# Altium PCB SEEED ORDER 100mm x 150mm.PcbDoc (part 2 of 3) (continued)
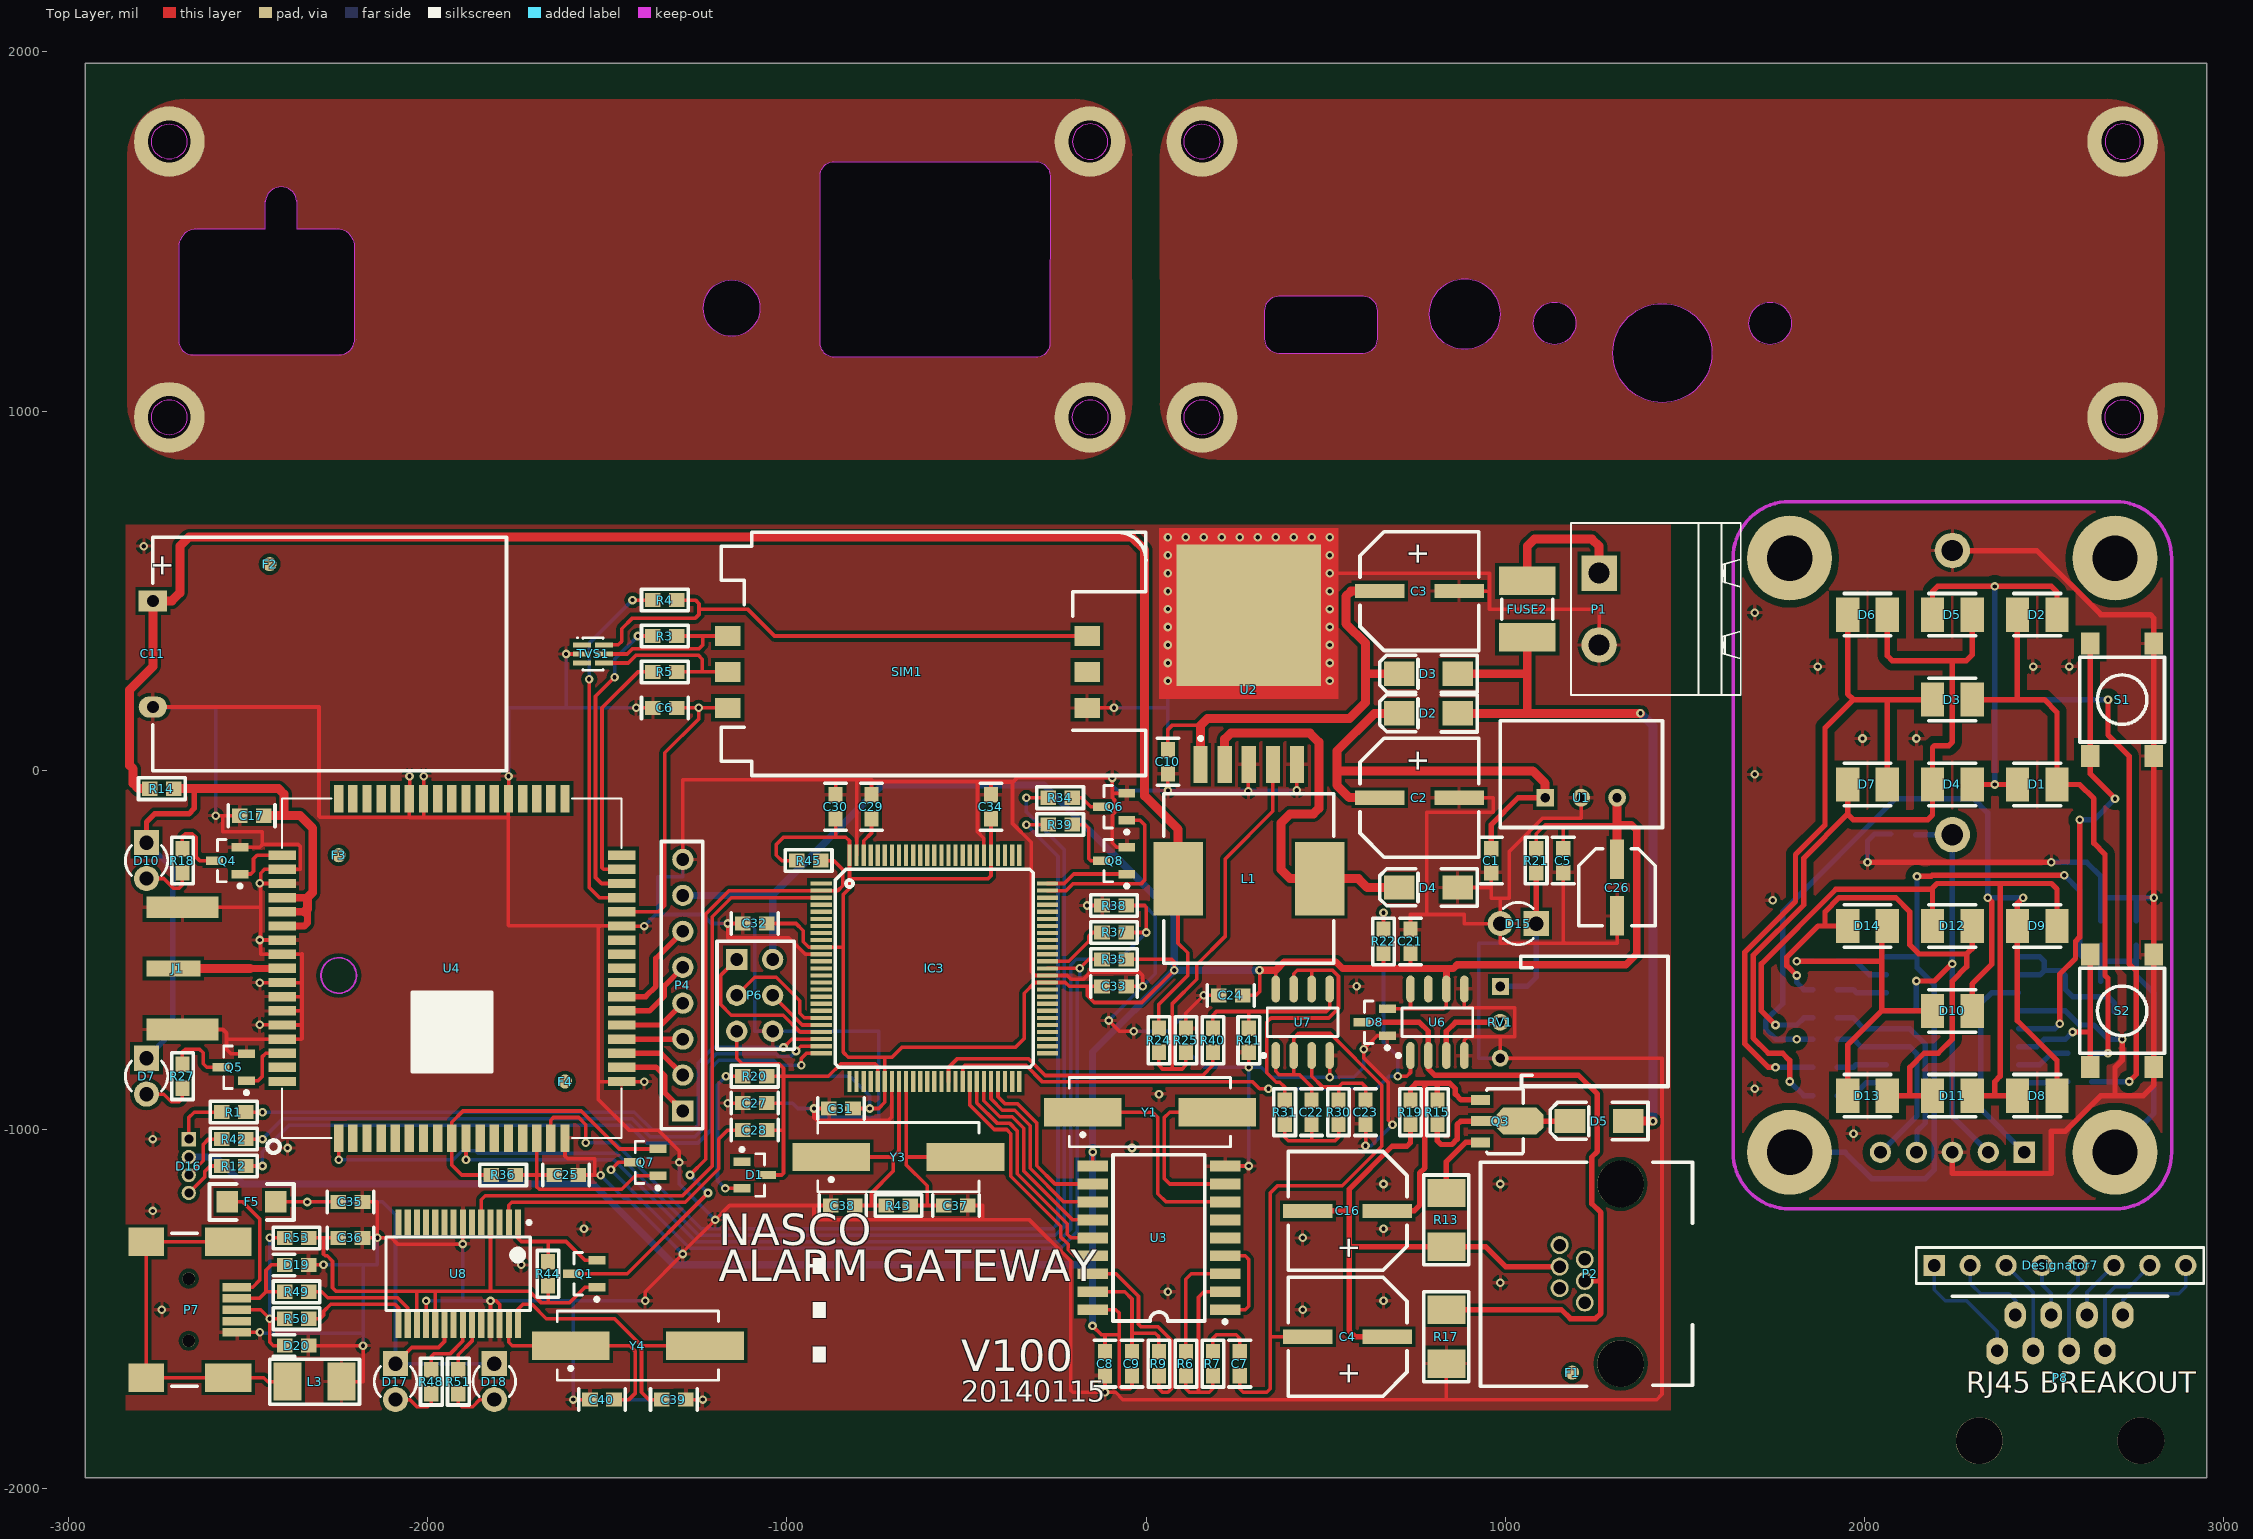
[diagram p0: Top Layer view]
## Nets (pads, with @x,y where several pads share a name; then routed paths per layer and width w, separated by ;. In a path a pad name is that pad's centre, name@x,y a point inside that pad or via, vN(x,y) a via of type N, cw(c..) or ccw(c..) an arc to the next point about the centre after c; other vN are vias at no path point) (continued)
  Bottom Layer w15: v1(1791.34,-866.14) 1830.71,-905.51 R3.2@1856.3,-905.51
NetD4_2: D4.2@705.02,-326.18 L1.1 U2.2 | length 1136.3
  Top Layer w25: U2.2@219.1,16.14 219.1,86.89 236.02,103.82 456.02,103.82 481.02,78.82 481.02,-106.18 466.02,-121.18 401.02,-121.18 376.02,-146.18 376.02,-276.18 401.02,-301.18 L1.1@482.88,-301.18 591.02,-301.18 616.02,-326.18 D4.2@705.02,-326.18
NetD7_2: D7.2@-2781.55,-901.12 R27.2 | length 141.6
  Top Layer w10: D7.2@-2781.55,-901.12 -2734.04,-901.12 -2712.55,-922.61 -2690.4,-922.61 -2681.83,-914.04 R27.2@-2681.83,-884.65
NetD8_1: D8.1@2425.2,-905.51 D9.2 D11.2 D12.1 R6.2@1856.3,-688.98 | length 2151.4
  Top Layer w15: v1(1751.97,-708.66) 1712.6,-669.29 1712.6,-538.34 1919.61,-331.33 2185.04,-331.33 ; D12.1@2188.98,-433.07 2188.98,-335.27 2185.04,-331.33 ; D11.2@2299.21,-905.51 2362.2,-905.51 ; D8.1@2425.2,-905.51 2362.2,-905.51 ; D9.2@2535.43,-433.07 2535.43,-330.71 2519.69,-314.96 2381.89,-314.96 ; 2185.04,-331.33 2201.41,-314.96 2381.89,-314.96 ; 2362.2,-905.51 2362.2,-866.14 2377.22,-851.13 2377.22,-319.63 2381.89,-314.96
  Bottom Layer w15: v1(1751.97,-708.66) 1811.02,-708.66 1830.71,-688.98 R6.2@1856.3,-688.98
NetD8_2: D8.2@2535.43,-905.51 D9.1 D10.2@2299.21,-669.29 R5.2@1856.3,-748.03 | length 2487.8
  Top Layer w15: D10.2@2299.21,-669.29 2299.21,-594.49 2354.22,-539.48 2354.22,-366.03 v1(2342.52,-354.33) ; v1(2440.94,-354.33) 2425.2,-370.08 D9.1@2425.2,-433.07 2425.2,-696.85 2535.43,-807.09 D8.2@2535.43,-905.51
  Bottom Layer w15: R5.2@1856.3,-748.03 v1(1811.02,-748.03) 1751.97,-748.03 1724.47,-720.53 1724.47,-696.79 1771.65,-649.61 1771.65,-393.7 2086.61,-78.74 2303.15,-78.74 2342.52,-118.11 v1(2342.52,-354.33) v1(2440.94,-354.33)
NetD10_1: D10.1@2188.98,-669.29 D13.1 D14.2 R8.2 | length 908.8
  Top Layer w15: v1(1811.02,-531.5) 2047.24,-531.5 ; D13.1@1952.76,-872.99 1952.76,-763.78 2047.24,-669.29 ; D14.2@2062.99,-433.07 2047.24,-448.82 2047.24,-531.5 ; D10.1@2188.98,-669.29 2047.24,-669.29 ; 2047.24,-669.29 2047.24,-531.5
  Bottom Layer w15: v1(1811.02,-531.5) R8.2@1856.3,-531.5
NetD10_2: D10.2@-2781.55,-301.12 R18.2 | length 148.6
  Top Layer w10: D10.2@-2781.55,-301.12 -2734.04,-301.12 -2707.55,-327.61 -2690.4,-327.61 -2681.83,-319.04 R18.2@-2681.83,-284.65
NetD11_1: D11.1 D12.2 D13.2 D14.1 R7.2@1856.3,-610.24 | length 1603
  Top Layer w15: v1(1811.02,-570.87) 1783.52,-543.37 1783.52,-520.11 1870.56,-433.07 1889.76,-433.07 ; D14.1@1952.76,-433.07 1889.76,-433.07 ; D13.2@2062.99,-905.51 2125.98,-905.51 ; D11.1@2188.98,-905.51 2125.98,-905.51 ; D12.2@2299.21,-433.07 2299.21,-496.11 2284.1,-511.22 ; 1889.76,-433.07 1889.76,-393.7 1929.13,-354.33 2086.61,-354.33 2125.98,-393.7 2125.98,-486.22 2150.98,-511.22 2284.1,-511.22 ; 2125.98,-905.51 2125.98,-826.77 2165.35,-787.4 2204.72,-787.4 2244.09,-748.03 2244.09,-586.22 2284.1,-546.21 2284.1,-511.22
  Bottom Layer w15: v1(1811.02,-570.87) 1811.02,-590.55 1830.71,-610.24 R7.2@1856.3,-610.24
NetD15_1: D15.1 R21.1 RV1.1 | length 401.9
  Top Layer w15: D15.1@1086.02,-426.41 R21.1@1086.02,-284.65 ; D15.1@1086.08,-426.47 D15.1@1086.08,-426.47
  Bottom Layer w15: RV1.1@986.02,-601.18 1061.02,-601.18 1086.08,-576.12 D15.1@1086.08,-426.47
NetD17_2: D17.2 R48.2 | length 138.7
  Top Layer w10: D17.2@-2088.69,-1751.12 -2049.04,-1751.12 -2028.98,-1771.18 -1998.98,-1771.18 -1988.98,-1761.18 R48.2@-1988.98,-1734.65
NetD18_2: D18.2 R51.2 | length 138.7
  Top Layer w10: R51.2@-1913.98,-1734.65 -1913.98,-1761.18 -1903.98,-1771.18 -1873.98,-1771.18 -1853.92,-1751.12 D18.2@-1814.26,-1751.12
NetF5_1: F5.1 P7.1 | length 348
  Top Layer w10: F5.1@-2556.48,-1201.18 -2513.98,-1201.18 -2466.98,-1248.18 -2466.98,-1419.18 -2485.98,-1438.19 ; P7.1@-2530.12,-1438.19 -2488.98,-1438.19
NetL3_1: L3.1 P7.0 | length 1004
  Top Layer w10: P7.0@-2553.74,-1312.2 P7.0@-2782.09,-1312.2 P7.0@-2782.09,-1690.16 P7.0@-2553.74,-1690.16 -2455,-1690.16 -2443.98,-1701.18 L3.1@-2388.98,-1701.18
NetQ1_2: Q1.2 R44.1 U8.1 | length 345.1
  Top Layer w10: U8.1@-1747.64,-1258.46 -1747.64,-1302.52 -1738.98,-1311.18 -1663.98,-1311.18 ; R44.1@-1663.98,-1367.72 -1663.98,-1311.18 ; Q1.2@-1528.54,-1363.78 -1561.38,-1363.78 -1613.98,-1311.18 -1663.98,-1311.18
NetQ3_1: Q3.1 R13.2 | length 205
  Top Layer w15: R13.2@836.02,-1176.17 836.02,-1088.71 889.5,-1035.24 Q3.1@931.4,-1035.24
NetQ4_3: Q4.3 R18.1 | length 189.8
  Top Layer w10: R18.1@-2681.83,-217.72 -2681.83,-184.04 -2673.98,-176.18 -2653.98,-176.18 -2643.98,-186.18 -2643.98,-241.18 -2633.98,-251.18 Q4.3@-2592.26,-251.18
NetQ5_3: Q5.3 R27.1 | length 182.6
  Top Layer w10: R27.1@-2681.83,-817.72 -2681.83,-784.04 -2673.98,-776.18 -2633.98,-776.18 -2623.98,-786.18 -2623.98,-816.18 -2613.98,-826.18 Q5.3@-2574.41,-826.18
NetQ6_3: Q6.3 R34.1 | length 91.5
  Top Layer w10: R34.1@-205.51,-76.18 -178.98,-76.18 -153.98,-101.18 Q6.3@-124.41,-101.18
NetQ7_2: Q7.2 R36.1 U4.9 | length 870
  Top Layer w10: R36.1@-1822.44,-1126.18 -1903.98,-1126.18 -1931.82,-1098.34 U4.9@-1931.82,-1023.63 -1931.82,-979.03 -1900.98,-948.18 -1571.52,-948.18 -1465.92,-1053.78 Q7.2@-1358.54,-1053.78
NetQ8_3: Q8.3 R39.1 | length 172.3
  Top Layer w10: R39.1@-205.51,-151.18 -168.98,-151.18 -158.98,-161.18 -158.98,-246.18 -153.98,-251.18 Q8.3@-124.41,-251.18
NetR6_1: R6.1@111.02,-1684.65 R7.2@186.02,-1684.65 U3.2 | length 501.6
  Top Layer w10: R6.1@111.02,-1684.65 111.02,-1721.18 121.02,-1731.18 146.02,-1731.18 ; R7.2@186.02,-1684.65 186.02,-1721.18 176.02,-1731.18 146.02,-1731.18 ; U3.2@220.08,-1451.18 161.02,-1451.18 146.02,-1466.18 146.02,-1731.18
NetR6_2: R6.2@111.02,-1617.72 U3.3 | length 316.8
  Top Layer w10: R6.2@111.02,-1617.72 111.02,-1416.18 126.02,-1401.18 U3.3@220.08,-1401.18
NetR7_1: R7.1@1923.23,-610.24 U1.15 | length 140.6
  Bottom Layer w15: R7.1@1923.23,-610.24 1968.5,-610.24 1977.56,-619.29 U1.15@2060.04,-619.29
NetR8_1: R8.1 U1.16 | length 152.5
  Bottom Layer w15: R8.1@1923.23,-531.5 1975.35,-531.5 2013.14,-569.29 U1.16@2060.04,-569.29
NetR9_1: R9.1 U3.16 | length 556.1
  Top Layer w10: U3.16@-148.03,-1401.18 -83.52,-1401.18 -20.98,-1463.73 -20.98,-1541.18 -13.98,-1548.18 33.48,-1548.18 71.02,-1585.73 71.02,-1721.18 61.02,-1731.18 46.02,-1731.18 36.02,-1721.18 R9.1@36.02,-1684.65
NetR24_1: R24.1 R25.2 U2.4 | length 1119.4
  Top Layer w10: R24.1@36.02,-784.65 36.02,-821.18 46.02,-831.18 73.52,-831.18 ; R25.2@111.02,-784.65 111.02,-821.18 101.02,-831.18 73.52,-831.18 ; U2.4@352.95,16.14 352.95,-114.25 221.02,-246.18 221.02,-461.18 141.02,-541.18 141.02,-581.18 73.52,-648.68 73.52,-831.18
NetR31_1: R31.1 U7.6 U7.7 | length 778.8
  Top Layer w10: R31.1@386.02,-917.72 386.02,-881.18 372.63,-867.79 362.71,-867.79 336.21,-841.29 336.21,-700.99 348.02,-689.18 508.48,-689.18 535.84,-661.83 535.84,-572.79 519.22,-556.18 461.02,-556.18 ; U7.7@411.02,-608.66 411.02,-566.18 421.02,-556.18 461.02,-556.18 ; U7.6@461.02,-608.66 461.02,-556.18
NetR34_2: R34.2 U4.1 | length 3495.3
  Top Layer w10: v1(-2246.79,-1084) U4.1@-2246.79,-1023.63 ; v1(-332.81,-76.18) R34.2@-272.44,-76.18
  Bottom Layer w10: v1(-2246.79,-1084) -1927.81,-1084 -1902.81,-1059 -1865.98,-1059 -1858.98,-1066 -1473.35,-1066 -1245.16,-1294.18 -252.43,-1294.18 -226.98,-1268.73 -226.98,-221.66 -332.81,-115.83 v1(-332.81,-76.18)
NetR37_2: R37.2 R38.1 U4.10 | length 3020.9
  Top Layer w10: v1(-1892.45,-1084) U4.10@-1892.45,-1023.63 ; R37.2@-55.51,-451.18 v1(1.02,-451.18) 1.02,-381.18 -3.98,-376.18 R38.1@-55.51,-376.18
  Bottom Layer w10: v1(-1892.45,-1084) -1480.8,-1084 -1252.62,-1312.18 -244.98,-1312.18 -208.98,-1276.18 -208.98,-641.18 -208.98,-540.83 -194.33,-526.18 -73.98,-526.18 v1(1.02,-451.18)
NetR39_2: R39.2 U4.16 | length 2835.2
  Top Layer w10: U4.16@-1656.23,-1023.63 -1656.23,-973.44 -1648.98,-966.18 -1578.98,-966.18 -1558.98,-986.18 v1(-1558.98,-1036.18) ; v1(-332.81,-151.18) R39.2@-272.44,-151.18
  Bottom Layer w10: v1(-1558.98,-1036.18) -1477.71,-1036.18 -1237.71,-1276.18 -259.89,-1276.18 -244.98,-1261.27 -244.98,-239.02 v1(-332.81,-151.18)
NetR40_2: R40.2 R41.2 U7.5 | length 468.9
  Top Layer w10: R40.2@186.02,-717.72 186.02,-681.18 196.02,-671.18 286.02,-671.18 ; R41.2@286.02,-717.72 286.02,-671.18 ; U7.5@511.02,-608.66 511.02,-661.18 501.02,-671.18 286.02,-671.18
NetR49_2: R49.2 U8.16 | length 342.1
  Top Layer w10: R49.2@-2330.51,-1451.18 -2293.98,-1451.18 -2276.98,-1468.18 -2082.85,-1468.18 -2054.72,-1496.32 U8.16@-2054.72,-1543.9
NetR50_2: R50.2 U8.15 | length 324.5
  Top Layer w10: R50.2@-2330.51,-1526.18 -2298.98,-1526.18 -2288.98,-1516.18 -2288.98,-1506.18 -2268.98,-1486.18 -2090.31,-1486.18 -2080.31,-1496.18 U8.15@-2080.31,-1543.9
NetU3_1: U3.1 U3.4 | length 270.2
  Top Layer w10: U3.1@220.08,-1501.18 276.02,-1501.18 286.02,-1491.18 286.02,-1361.18 276.02,-1351.18 U3.4@220.08,-1351.18
NetU3_7: U3.7 Y1.1 | length 623.8
  Top Layer w10: Y1.1@-175.98,-951.18 18.02,-951.18 33.02,-966.18 33.02,-1178.18 56.02,-1201.18 U3.7@220.08,-1201.18
NetU3_8: U3.8 Y1.2 | length 498.5
  Top Layer w10: Y1.2@198.03,-951.18 66.03,-951.18 51.02,-966.18 51.02,-1136.18 66.02,-1151.18 U3.8@220.08,-1151.18
O\F\F\H\O\O\K\: IC3.42 R22.1 U6.1 | length 1898.7
  Top Layer w10: IC3.42@-510.24,-866.14 -510.24,-827.44 -503.98,-821.18 -333.98,-821.18 -287.98,-867.18 297.02,-867.18 316.02,-886.18 v1(341.02,-886.18) ; R22.1@661.02,-442.72 v1(661.02,-396.18) ; v1(701.02,-851.18) 726.02,-851.18 736.02,-841.18 U6.1@736.02,-793.7
  Bottom Layer w10: v1(341.02,-886.18) 641.02,-886.18 676.02,-851.18 v1(701.02,-851.18) 701.02,-796.18 661.02,-756.18 v1(661.02,-396.18)
PL2303_RXD: IC3.3 U8.5 | length 1764.1
  Top Layer w10: U8.5@-1850,-1258.46 -1850,-1195.21 -1838.98,-1184.18 -1289.98,-1184.18 -1206.98,-1101.18 -1206.98,-407.33 -1153.98,-354.33 IC3.3@-903.94,-354.33
PL2303_TXD: IC3.2 Q1.3 R45.1 | length 1819.4
  Top Layer w10: Q1.3@-1599.41,-1401.18 -1443.98,-1401.18 v1(-1218.98,-1176.18) ; v1(-1268.98,-1126.18) -1224.98,-1082.18 -1224.98,-399.88 -1159.74,-334.64 IC3.2@-903.94,-334.64 -857.44,-334.64 -843.98,-321.18 -843.98,-276.18 -868.98,-251.18 R45.1@-905.51,-251.18
  Bottom Layer w10: v1(-1268.98,-1126.18) v1(-1218.98,-1176.18)
R1: D16.1@-2663.98,-1026.18 R1.2@-2572.44,-951.18 | length 157.8
  Top Layer w10: D16.1@-2663.98,-1026.18 -2663.98,-966.18 -2648.98,-951.18 R1.2@-2572.44,-951.18
R\E\S\E\T\: C27.2 C28.2 D1.3 IC3.30 P6.5 R20.1 | length 1012.7
  Top Layer w10: P6.5@-1138.98,-726.18 -1138.98,-801.18 -1123.98,-816.18 -1021.48,-816.18 -1008.98,-828.68 -1008.98,-851.18 ; C28.2@-1055.51,-1001.18 -1013.98,-1001.18 ; C27.2@-1055.51,-926.18 -1008.98,-926.18 ; R20.1@-1055.51,-851.18 -1008.98,-851.18 ; D1.3@-1053.54,-1126.18 -1013.98,-1126.18 -1008.98,-1121.18 -1008.98,-926.18 ; IC3.30@-746.46,-866.14 -746.46,-823.7 -753.98,-816.18 -848.98,-816.18 -883.98,-851.18 -1008.98,-851.18 ; -1008.98,-926.18 -1008.98,-851.18
RED: IC3.23 R1.1@-2505.51,-951.18 | length 1828.2
  Top Layer w10: R1.1@-2505.51,-951.18 v1(-2458.98,-951.18) ; v1(-1008.98,-771.18) -985.83,-748.03 IC3.23@-903.94,-748.03
  Bottom Layer w10: v1(-2458.98,-951.18) -1423.98,-951.18 -1373.98,-1001.18 -1261.48,-1001.18 -1246.45,-986.15 -1246.45,-813.65 -1203.98,-771.18 v1(-1008.98,-771.18)
REF: RV1.2 U6.3 | length 227.9
  Top Layer w15: U6.3@836.02,-793.7 836.02,-726.18 861.02,-701.18 RV1.2@986.02,-701.18
RF_ANT: J1.1 U4.60 | length 302.6
  Top Layer w20: -2493.98,-551.18 U4.60@-2404.27,-551.18
  Top Layer w25: J1.1@-2706.83,-551.18 -2493.98,-551.18
RING(-): D8.3 P2.4 R17.2 U6.2 | length 1918.3
  Top Layer w15: D8.3@600.59,-701.18 761.02,-701.18 786.02,-726.18 U6.2@786.02,-793.7 786.02,-831.18 803.02,-848.18 1203.02,-848.18 1256.02,-901.18 1256.02,-1060.68 1240.52,-1076.18 1240.52,-1205.68 1266.02,-1231.18 1266.02,-1421.18 ; R17.2@836.02,-1501.17 1156.02,-1501.17 1181.02,-1526.18 1251.02,-1526.18 1266.02,-1511.18 1266.02,-1421.18 ; P2.4@1221.02,-1421.18 1266.02,-1421.18
RXLED: R48.1 U8.22 | length 186.5
  Top Layer w10: R48.1@-1988.98,-1667.72 -1988.98,-1631.18 -1981.98,-1624.18 -1936.98,-1624.18 -1901.18,-1588.39 U8.22@-1901.18,-1543.9
SCK: IC3.20 P6.3 | length 323.1
  Top Layer w10: P6.3@-1138.98,-626.18 -1088.98,-576.18 -1028.83,-576.18 -963.98,-641.04 -963.98,-676.18 -951.19,-688.97 IC3.20@-903.94,-688.97
SIM900_NETLIGHT: Q4.1 U4.52 | length 159.3
  Top Layer w10: Q4.1@-2521.4,-288.58 -2491.38,-288.58 -2483.98,-281.18 -2483.98,-246.18 -2473.98,-236.18 -2459.06,-236.18 ; -2459.02,-236.22 U4.52@-2404.27,-236.22
SIM900_P\W\R\: IC3.74 Q6.1 | length 491.6
  Top Layer w10: IC3.74@-274.01,-334.64 -221.98,-334.64 -203.52,-316.18 -13.98,-316.18 -3.98,-306.18 -3.98,-151.18 -16.57,-138.58 Q6.1@-53.54,-138.58
SIM900_R\E\S\E\T\: IC3.75 Q8.1 | length 231.4
  Top Layer w10: IC3.75@-274.01,-314.96 -227.76,-314.96 -201.38,-288.58 Q8.1@-53.54,-288.58
SIM900_RXD: IC3.64 R37.1 | length 193.4
  Top Layer w10: IC3.64@-274.01,-531.49 -214.74,-531.49 -158.98,-475.73 -158.98,-461.18 -148.98,-451.18 R37.1@-122.44,-451.18
SIM900_STATUS: Q5.1 U4.66 | length 163
  Top Layer w10: Q5.1@-2503.54,-863.58 -2471.38,-863.58 -2458.98,-851.18 -2458.98,-796.18 -2450.2,-787.4 U4.66@-2404.27,-787.4
SIM900_TXD: IC3.63 Q7.3 R35.1 | length 2373.1
  Top Layer w10: v1(-1488.98,-1111.18) -1468.98,-1091.18 Q7.3@-1429.41,-1091.18 ; IC3.63@-274.01,-551.18 v1(-183.98,-551.18) -158.98,-526.18 R35.1@-122.44,-526.18
  Bottom Layer w10: v1(-1488.98,-1111.18) -1269.98,-1330.18 -237.52,-1330.18 -190.98,-1283.64 -190.98,-671.18 -190.98,-586.18 -183.98,-579.18 v1(-183.98,-551.18)
SIM_CLK: R3.1@-1372.44,373.82 U4.32 | length 842
  Top Layer w10: v1(-1478.98,258.82) -1531.98,205.82 -1531.98,-298.18 -1515.2,-314.96 U4.32@-1459.38,-314.96 ; v1(-1413.98,373.82) R3.1@-1372.44,373.82
  Bottom Layer w10: v1(-1478.98,258.82) -1478.98,308.82 v1(-1413.98,373.82)
SIM_DATA: R4.1@-1372.44,473.82 U4.31 | length 1008.3
  Top Layer w10: v1(-1549.98,253.82) -1549.98,-325.18 -1520.83,-354.33 U4.31@-1459.38,-354.33 ; v1(-1428.98,473.82) R4.1@-1372.44,473.82
  Bottom Layer w10: v1(-1549.98,253.82) -1549.98,352.82 v1(-1428.98,473.82)
SIM_RST: R5.1@-1372.44,273.82 U4.33 | length 684.4
  Top Layer w10: U4.33@-1459.38,-275.59 -1509.57,-275.59 -1513.98,-271.18 -1513.98,173.82 -1413.98,273.82 R5.1@-1372.44,273.82
SIM_VDD: C6.1 SIM1.C1 U4.30 | length 858.1
  Top Layer w10: U4.30@-1459.38,-393.7 -1356.5,-393.7 -1338.98,-376.18 -1338.98,48.82 -1245.14,142.65 v1(-1245.14,173.82) ; C6.1@-1305.51,173.82 v1(-1245.14,173.82) ; SIM1.C1@-1163.98,173.82 v1(-1245.14,173.82)
SPK_N: P4.4 U4.22 | length 195.5
  Top Layer w15: U4.22@-1459.38,-708.66 -1349.61,-708.66 P4.4@-1288.98,-648.03
SPK_P: P4.3 U4.21 | length 170.4
  Top Layer w15: U4.21@-1459.38,-748.03 P4.3@-1288.98,-748.03
STD: IC3.43 U3.15 | length 677.1
  Top Layer w10: IC3.43@-490.55,-866.14 -490.55,-931.43 -422.3,-999.68 -387.48,-999.68 -375.98,-1011.18 -375.98,-1130.09 -236.98,-1269.09 -236.98,-1298.64 -216.43,-1319.18 -216.43,-1333.64 -198.89,-1351.18 U3.15@-148.03,-1351.18
TIP(+): C4.1 C16.2 P2.3 R13.1 R19.1 | length 1507.5
  Top Layer w15: C16.2@450.79,-1226.18 561.02,-1226.18 566.02,-1221.18 ; C4.1@671.26,-1576.18 581.02,-1576.18 566.02,-1561.18 566.02,-1326.18 ; R19.1@736.02,-984.65 736.02,-1036.18 726.02,-1046.18 685.02,-1046.18 566.02,-1165.17 566.02,-1221.18 ; P2.3@1151.02,-1381.18 1001.02,-1381.18 946.02,-1326.18 R13.1@836.02,-1326.18 566.02,-1326.18 ; 566.02,-1326.18 566.02,-1221.18
TONE: IC3.40 R40.1 | length 851.9
  Top Layer w10: IC3.40@-549.61,-866.14 -549.61,-826.81 -525.98,-803.18 -326.52,-803.18 -280.52,-849.18 158.02,-849.18 186.02,-821.18 R40.1@186.02,-784.65
TXLED: R51.1 U8.23 | length 139.7
  Top Layer w10: R51.1@-1913.98,-1667.72 -1913.98,-1626.64 -1875.59,-1588.25 U8.23@-1875.59,-1543.9
USB+: D20.2 P7.3 R50.1 R53.2 | length 520.2
  Top Layer w10: P7.3@-2530.12,-1501.18 -2463.98,-1501.18 v1(-2438.98,-1526.18) ; v1(-2438.98,-1301.18) R53.2@-2397.44,-1301.18 ; D20.2@-2397.44,-1601.18 -2428.98,-1601.18 -2438.98,-1591.18 v1(-2438.98,-1526.18) ; R50.1@-2397.44,-1526.18 v1(-2438.98,-1526.18)
  Bottom Layer w10: v1(-2438.98,-1526.18) v1(-2438.98,-1301.18)
USB-: D19.2 P7.2 R49.1 | length 258.1
  Top Layer w10: P7.2@-2530.12,-1469.69 -2467.48,-1469.69 -2448.98,-1451.18 ; R49.1@-2397.44,-1451.18 -2448.98,-1451.18 ; D19.2@-2397.44,-1376.18 -2433.98,-1376.18 -2448.98,-1391.18 -2448.98,-1451.18
USB_5V: C35.1 D17.1 D18.1 F5.2 U8.20 | length 1331.1
  Top Layer w10: F5.2@-2421.48,-1201.18 v1(-2333.98,-1201.18) C35.1@-2247.44,-1201.18 ; D17.1@-2088.69,-1651.12 -2043.75,-1606.18 -1968.98,-1606.18 -1952.36,-1589.57 U8.20@-1952.36,-1543.9
  Bottom Layer w10: v1(-2333.98,-1201.18) -2123.98,-1201.18 -2088.69,-1236.47 D17.1@-2088.69,-1651.12 D18.1@-1813.69,-1651.12
V+: D2.1@867.02,158.82 D3.1@867.02,268.82 D5.1@1342.02,-976.18 FUSE2.2 | length 2127.8
  Top Layer w25: D2.1@867.02,158.82 1061.02,158.82 ; D3.1@867.02,268.82 1056.02,268.82 ; FUSE2.2@1061.02,370.08 1061.02,158.82 ; D5.1@1342.02,-976.18 v1(1411.02,-976.18) ; v1(1376.02,158.82) 1061.02,158.82
  Bottom Layer w25: v1(1376.02,158.82) 1411.02,123.82 v1(1411.02,-976.18)
V+1: C3.1 C10.1 D3.2@705.02,268.82 U2.1 | length 1258.7
  Top Layer w10: C10.1@61.02,57.28 61.02,113.82 72.17,124.96 152.17,124.96
  Top Layer w25: U2.1@152.17,16.14 152.17,124.96 171.02,143.82 566.02,143.82 611.02,188.82 611.02,268.82 ; C3.1@650.79,498.82 571.02,498.82 556.57,484.36 556.57,408.28 611.02,353.82 611.02,268.82 ; D3.2@705.02,268.82 611.02,268.82
V+2: C1.1@961.02,-217.72 C2.1@650.79,-76.18 D2.2@705.02,158.82 U1.1@1111.02,-76.18 | length 1328.9
  Top Layer w15: C1.1@961.02,-217.72 961.02,-151.18 1036.02,-76.18 U1.1@1111.02,-76.18
  Top Layer w25: C2.1@650.79,-76.18 566.02,-76.18 531.02,-41.18 531.02,-1.18 ; D2.2@705.02,158.82 636.02,158.82 531.02,53.82 531.02,-1.18 ; U1.1@1111.02,-76.18 1111.02,-36.18 1076.02,-1.18 531.02,-1.18
V_LINE: D5.2@1180.02,-976.18 Q3.2 R15.2 | length 470
  Top Layer w15: R15.2@811.02,-984.65 811.02,-1031.18 821.02,-1041.18 851.02,-1041.18 866.02,-1026.18 866.02,-986.18 876.02,-976.18 Q3.2@1040.65,-976.18 D5.2@1180.02,-976.18
VBAT: C17.1 D7.1@-2781.55,-801.12 D10.1@-2781.55,-201.12 R14.2 U4.55 U4.56 U4.57 | length 1923.8
  Top Layer w15: D10.1@-2781.55,-201.12 -2781.55,-143.75 -2758.98,-121.18 -2663.98,-121.18 -2648.98,-106.18 -2648.98,-51.18
  Top Layer w20: U4.57@-2404.27,-433.07 -2342.13,-433.07 -2333.98,-424.92 -2333.98,-385.55 ; U4.56@-2404.27,-393.7 -2342.13,-393.7 ; U4.55@-2404.27,-354.33 -2342.13,-354.33
  Top Layer w25: R14.2@-2705.51,-51.18 -2648.98,-51.18 -2413.98,-51.18 -2398.98,-66.18 -2398.98,-126.18 ; C17.1@-2455.51,-126.18 -2398.98,-126.18 ; -2342.13,-393.7 -2333.98,-385.55 -2333.98,-354.33 -2318.98,-339.33 -2318.98,-161.18 -2353.98,-126.18 -2398.98,-126.18
  Bottom Layer w15: D7.1@-2781.55,-801.12 -2708.98,-728.55 -2708.98,-273.69 D10.1@-2781.55,-201.12
VCC: BT1.1 C1.2@2139.76,-177.17 P1.2@2344.09,-1062.99 U1.14 | length 1309.7
  Top Layer w15: v1(2144.09,-586.22) 2194.09,-586.22 2241.59,-538.72 v1(2244.09,-538.72)
  Bottom Layer w15: U1.14@2060.04,-669.29 2136.02,-669.29 2144.09,-661.22 v1(2144.09,-586.22) ; C1.2@2141.73,-179.13 BT1.1@2244.09,-179.13 v1(2244.09,-538.72) 2244.09,-962.99 P1.2@2344.09,-1062.99
VCOMP: U1.1@2428.15,-469.29
VDD_EXT: C25.1 Q7.1 R36.2 U4.15 | length 599.4
  Top Layer w10: R36.2@-1755.51,-1126.18 -1695.6,-1126.18 ; U4.15@-1695.6,-1023.63 -1695.6,-1126.18 ; C25.1@-1647.44,-1126.18 -1695.6,-1126.18 ; Q7.1@-1358.54,-1128.58 -1421.38,-1128.58 -1458.98,-1166.18 -1688.98,-1166.18 -1695.6,-1159.56 -1695.6,-1126.18
VIN: FUSE2.1 P1.1@1261.02,548.82 | length 387.8
  Top Layer w25: FUSE2.1@1061.02,527.56 1061.02,623.82 1081.02,643.82 1241.02,643.82 1261.02,623.82 P1.1@1261.02,548.82
XTAL1: C37.1 IC3.34 R43.2 Y3.2 | length 604.8
  Top Layer w10: R43.2@-667.72,-1211.18 -667.72,-1217.44 R43.2@-658.98,-1226.18 ; -667.71,-1076.18 Y3.2@-543.98,-1076.18 ; IC3.34@-667.72,-866.14 -667.72,-1076.18 -667.72,-1097.44 -608.98,-1156.18 -608.98,-1211.18 ; R43.2@-655.51,-1211.18 -608.98,-1211.18 ; C37.1@-562.44,-1211.18 -608.98,-1211.18
XTAL2: C38.1 IC3.33 R43.1 Y3.1 | length 636.8
  Top Layer w10: Y3.1@-875.98,-1076.18 -728.98,-1076.18 ; C38.1@-810.51,-1211.18 -763.98,-1211.18 ; -728.97,-1076.18 -703.98,-1076.18 ; R43.1@-722.44,-1211.18 -763.98,-1211.18 ; IC3.33@-687.4,-866.14 -687.4,-1059.6 -703.98,-1076.18 ; -763.98,-1211.18 -763.98,-1176.18 -703.98,-1116.18 -703.98,-1076.18
pads on no net: D1.1@-1124.41,-1088.78 D16.2@2620.08,-672.24 Designator7.1 Designator7.2 Designator7.3 Designator7.4 Designator7.5 Designator7.6 Designator7.7 Designator7.8 F1.0 F2.0 F3.0 F4.0 IC3.1 IC3.4 IC3.5 IC3.6 IC3.7 IC3.8 IC3.9 IC3.12 IC3.13 IC3.14 IC3.15 IC3.16 IC3.17 IC3.18 IC3.19 IC3.26 IC3.27 IC3.28 IC3.29 IC3.35 IC3.36 IC3.37 IC3.38 IC3.39 IC3.41 IC3.48 IC3.49 IC3.50 IC3.51 IC3.52 IC3.53 IC3.54 IC3.55 IC3.56 IC3.57 IC3.58 IC3.59 IC3.60 IC3.65 IC3.66 IC3.67 IC3.68 IC3.69 IC3.70 IC3.71 IC3.72 IC3.73 IC3.76 IC3.77 IC3.78 IC3.79 IC3.82 IC3.83 IC3.84 IC3.85 IC3.86 IC3.87 IC3.88 IC3.89 IC3.90 IC3.91 IC3.92 IC3.93 IC3.94 IC3.95 IC3.96 IC3.97 P2.0 P2.1 P2.2 P2.5 P2.6 P7.4 P7.MT P8.0 P8.1 P8.2 P8.3 P8.4 P8.5 P8.6 P8.7 P8.8 SIM1.C6 TVS1.1 TVS1.3 U1.18 U3.5 U3.6 U4.2 U4.3 U4.4 U4.5 U4.6 U4.7 U4.8 U4.11 U4.12 U4.13 U4.14 U4.25 U4.26 U4.27 U4.28 U4.34 U4.35 U4.36 U4.37 U4.38 U4.40 U4.41 U4.42 U4.43 U4.44 U4.47 U4.48 U4.49 U4.50 U4.51 U4.67 U4.68 U6.7 U8.3 U8.6 U8.8 U8.9 U8.10 U8.11 U8.12 U8.13 U8.14 U8.21 U8.24
copper on no net: | length 2170.9
  Bottom Layer w10: 2193.7,-1437.01 2193.7,-1445.67 ; 2193.7,-1377.95 2193.7,-1445.67 ; 2293.7,-1377.95 2293.7,-1427.56 2298.43,-1432.28 2322.83,-1456.69 2401.57,-1456.69 2421.26,-1476.38 2418.84,-1478.8 2418.84,-1515.75 ; 2368.84,-1615.75 2368.84,-1561.75 2342.52,-1535.43 2283.46,-1476.38 2224.41,-1476.38 2193.7,-1445.67 ; 2393.7,-1377.95 2468.84,-1453.09 2468.84,-1615.75 ; 2500,-1384.25 2493.7,-1377.95 ; 2518.84,-1515.75 2518.84,-1455.84 ; 2568.84,-1615.75 2568.84,-1456.69 2593.7,-1431.83 2593.7,-1377.95 2593.7,-1422.05 ; 2618.84,-1515.75 2618.84,-1452.82 2693.7,-1377.95 ; 2668.84,-1615.75 2668.84,-1465.02 2696.85,-1437.01 2736.22,-1437.01 2795.28,-1377.95 ; 2718.84,-1515.75 2718.84,-1474.08 2736.22,-1456.69 2874.02,-1456.69 2893.7,-1437.01 2893.7,-1377.95 ; 2493.7,-1430.71 2518.84,-1455.84 ; 2493.7,-1430.71 2493.7,-1377.95 ; 2493.7,-1430.71 2500,-1437.01 2518.84,-1455.84 ; 2493.7,-1430.71 2493.7,-1377.95

## Polygon pours and split planes (outlines as drawn)
GND on Top Layer "GND" (solid, remove dead copper, pour order 5): 1791.34,753.05 2696.85,753.05 cw(c2696.85,748.03) 2696.88,753.05 cw(c2696.85,590.55) 2859.35,590.55 2859.35,-1062.99 cw(c2696.85,-1062.99) 2696.85,-1225.49 1791.34,-1225.49 cw(c1791.34,-1220.47) 1791.31,-1225.49 ccw(c1791.32,-1062.84) 1791.34,-1225.49 1791.31,-1225.49 cw(c1791.34,-1062.99) 1628.84,-1062.99 1628.84,590.55 cw(c1791.34,590.55)
no net on Top Layer "Bottom Layer-No Net" (solid, pour order 3): 2834.65,1021.65 cw(c2677.17,1021.65) 2677.17,864.17 196.85,864.17 cw(c196.85,1021.65) 39.37,1021.65 39.37,1710.63 cw(c196.85,1710.63) 196.85,1868.11 2677.17,1868.11 cw(c2677.17,1710.63) 2834.65,1710.63
no net on Top Layer "Bottom Layer-No Net" (solid, pour order 3): -39.37,1021.65 cw(c-196.85,1021.65) -196.85,864.17 -2677.17,864.17 cw(c-2677.17,1021.65) -2834.65,1021.65 -2834.65,1710.63 cw(c-2677.17,1710.63) -2677.17,1868.11 -196.85,1868.11 cw(c-196.85,1710.63) -39.37,1710.63
GND on Top Layer "GND" (solid, remove dead copper, pour order 2): -2859.35,-1796.5 ccw(c-2854.33,-1796.65) -2854.33,-1801.66 1476.37,-1801.66 ccw(c1476.37,-1796.65) 1481.39,-1796.65 1481.39,698.65 ccw(c1476.38,698.82) 1481.39,698.82 ccw(c1476.38,698.82) 1476.38,703.83 -2854.33,703.83 ccw(c-2854.33,698.82) -2859.35,698.82
GND on Bottom Layer "GND" (solid, remove dead copper, pour order 4): 1791.34,753.05 2696.85,753.05 cw(c2696.85,748.03) 2696.88,753.05 cw(c2696.85,590.55) 2859.35,590.55 2859.35,-1062.99 cw(c2696.85,-1062.99) 2696.85,-1225.49 1791.34,-1225.49 cw(c1791.34,-1220.47) 1791.31,-1225.49 ccw(c1791.32,-1062.84) 1791.34,-1225.49 1791.31,-1225.49 cw(c1791.34,-1062.99) 1628.84,-1062.99 1628.84,590.55 cw(c1791.34,590.55)
no net on Bottom Layer "Bottom Layer-No Net" (solid, pour order 9): 2834.65,1021.65 cw(c2677.17,1021.65) 2677.17,864.17 196.85,864.17 cw(c196.85,1021.65) 39.37,1021.65 39.37,1710.63 cw(c196.85,1710.63) 196.85,1868.11 2677.17,1868.11 cw(c2677.17,1710.63) 2834.65,1710.63
no net on Bottom Layer "Bottom Layer-No Net" (solid, pour order 2): -39.37,1021.65 cw(c-196.85,1021.65) -196.85,864.17 -2677.17,864.17 cw(c-2677.17,1021.65) -2834.65,1021.65 -2834.65,1710.63 cw(c-2677.17,1710.63) -2677.17,1868.11 -196.85,1868.11 cw(c-196.85,1710.63) -39.37,1710.63
GND on Bottom Layer "GND" (solid, remove dead copper, pour order 3): -2859.35,-1796.5 ccw(c-2854.33,-1796.65) -2854.33,-1801.66 1476.37,-1801.66 ccw(c1476.37,-1796.65) 1481.39,-1796.65 1481.39,698.65 ccw(c1476.38,698.82) 1481.39,698.82 ccw(c1476.38,698.82) 1476.38,703.83 -2854.33,703.83 ccw(c-2854.33,698.82) -2859.35,698.82

## Keep-outs
Keep-Out Layer:
  lines w10: 1791.34,-1220.47 cw(c1791.34,-1062.99) 1633.86,-1062.99 1633.86,590.55 cw(c1791.34,590.55) 1791.34,748.03 2696.85,748.03 ; 1791.34,-1220.47 1791.34,-1220.47 ; 1791.34,-1220.47 2696.85,-1220.47 ccw(c2696.85,-1062.99) 2854.33,-1062.99 2854.33,590.55 ccw(c2696.85,590.55) 2696.85,748.03 ; 2696.85,748.03 2696.85,748.03

## Silkscreen, mask and mechanical layers (free items; w line width, h text height)
Top Overlay:
  text "NASCO" at -1188.98,-1351.18 h150
  text "ALARM GATEWAY" at -1188.98,-1451.18 h150
  text "⋮" at -1088.98,-1701.18 h450
  text "V100" at -513.98,-1701.18 h150
  text "RJ45 BREAKOUT" at 2283.46,-1751.97 h100
  text "20140115" at -513.98,-1776.18 h100
Bottom Overlay:
  pour cut-out: -2197.64,1199.49
  region: -2197.64,1199.49
  text "POWER" at -2487.01,1544.49 h100
  text "NASCO" at -962.01,1536.42 h500
  text "NASCO" at 2562.01,1486.42 h500
  text "HOOK-ADJ" at -1287.01,1269.49 h100
  text "USB DEVICE" at 657.01,1086.42 h100
  text "STATUS" at 987.01,1086.42 h100
  text "SIM" at 1187.01,1086.42 h100
  text "NETWORK" at 1862.01,1086.42 h100
  text "V+" at -2537.01,1069.49 h100
  text "GND" at -2257.01,1069.49 h100
  text "ALARM - LINE" at -362.01,1019.49 h100
  text "http://ludzinc.blogspot.com.au" at -315.23,556.14 h180
  text "⋮" at -1688.98,173.82 h1500 r90